# Altium PCB VOU_SOM_CV_V0.0.1.PcbDoc (part 1 of 3)
Units mil, origin at the board's own origin, x right, y up, seen from the top; angles counter-clockwise.
Board outline 6000 x 4000 mil, 2 copper layers (Top Layer, Bottom Layer); 531 components, 775 nets, 3326 pads, 56 vias.
Unrouted connection lines stored in the file: 2447.
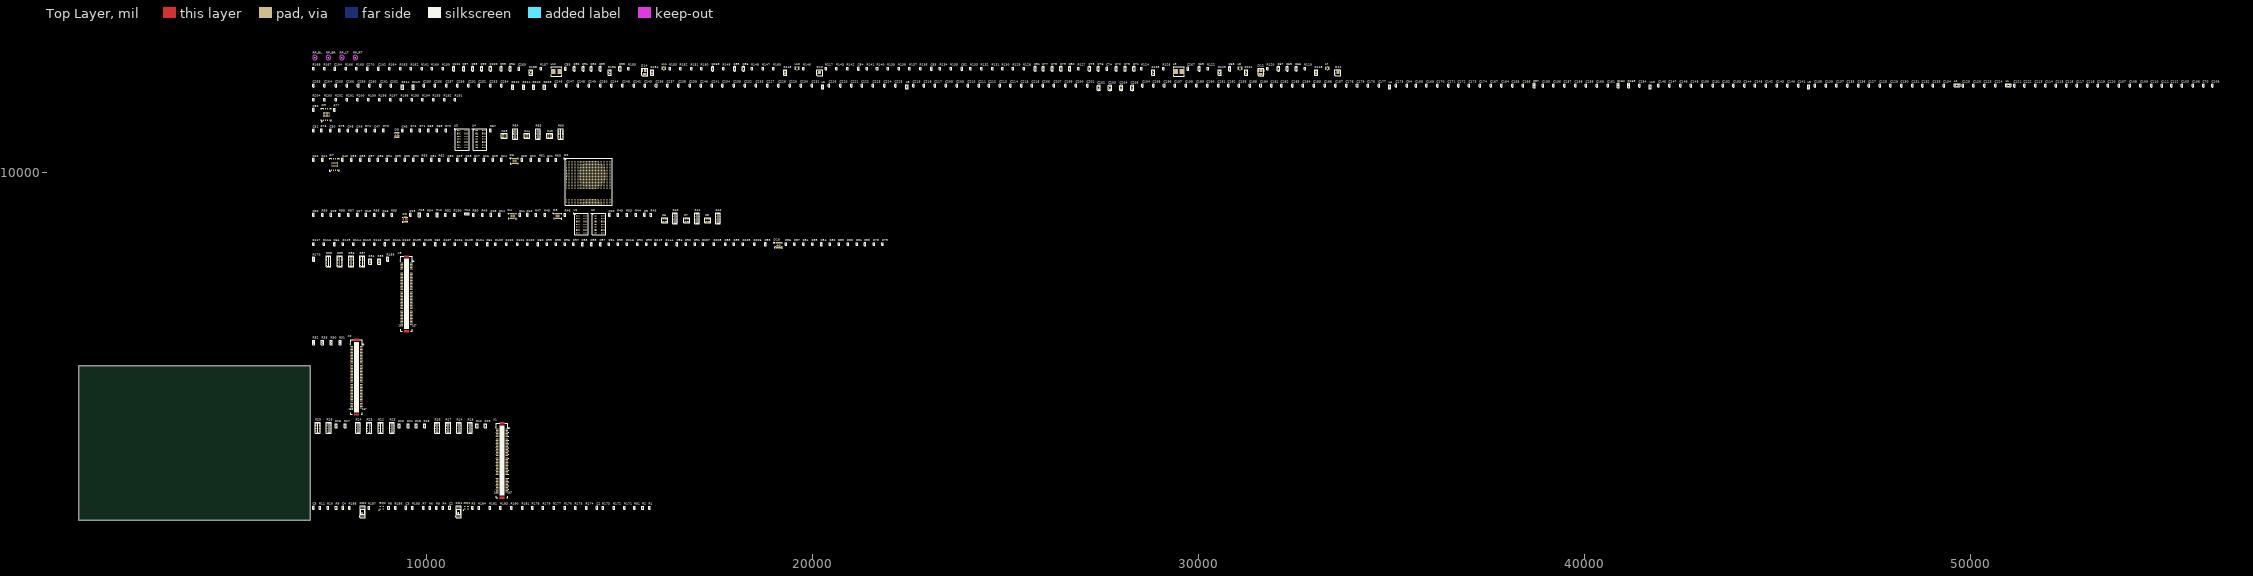
[diagram p0: Top Layer view]
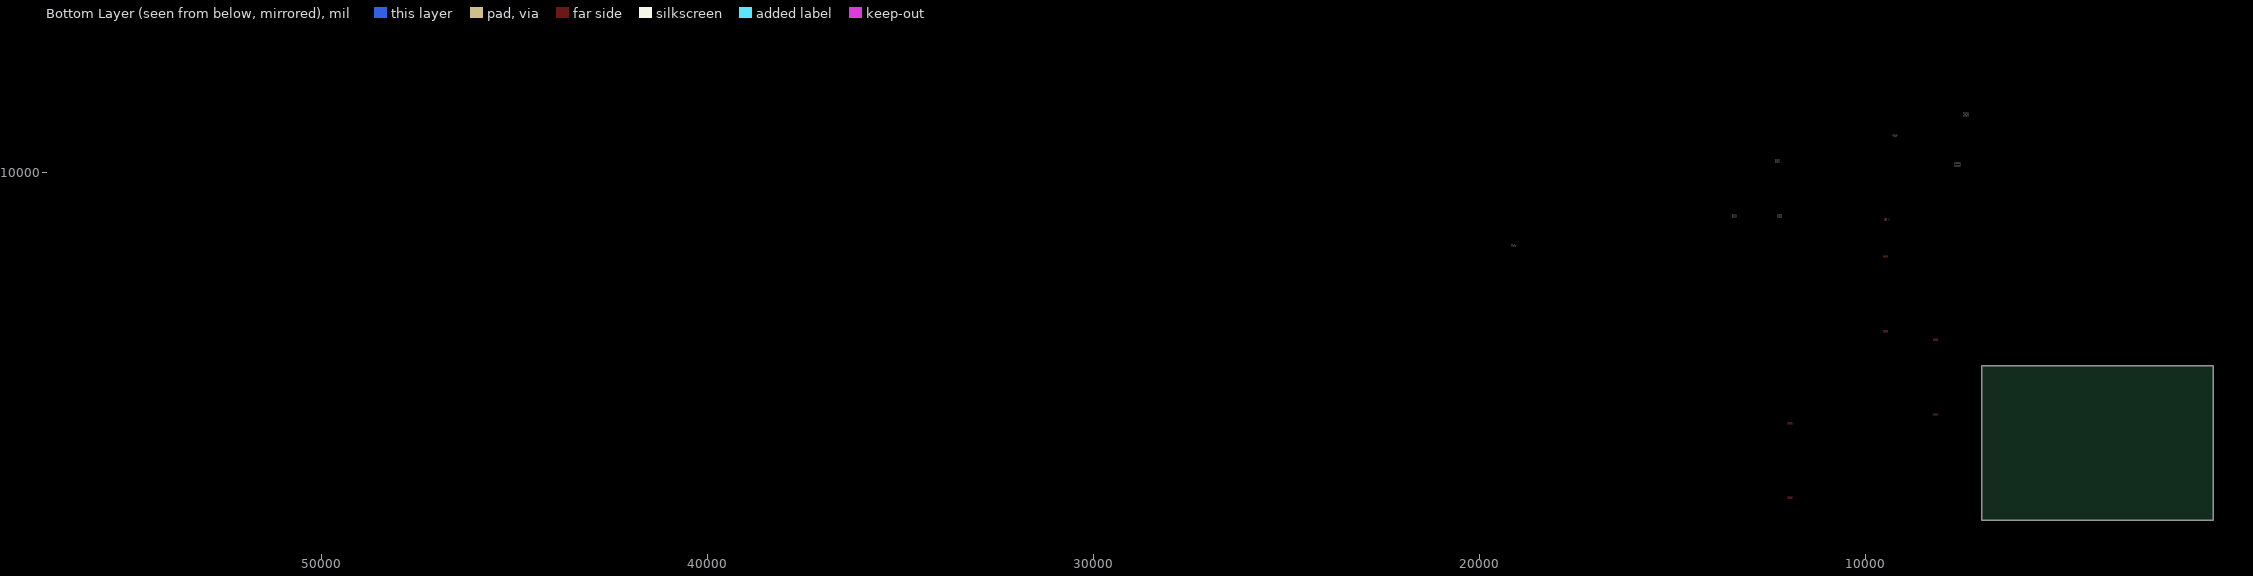
[diagram p1: Bottom Layer view, seen from below]

## Layer stack, top to bottom
Top Solder: solder mask 0.4, Solder Resist, Dk 3.5
Top Layer: signal copper 1.4
Dielectric 1: dielectric 12.6, FR-4, Dk 4.8
Bottom Layer: signal copper 1.4
Bottom Solder: solder mask 0.4, Solder Resist, Dk 3.5

## Board outline
1000,1000 7000,1000 7000,5000 1000,5000

## Design rules (kind name [scope] priority, off if disabled: settings)
Clearance [All] p1: gap=10
DiffPairsRouting [All] p1: maxlimit=10 minlimit=10 mostfreqgap=10 toplayer_minwidth=15 toplayer_maxwidth=15 toplayer_prefwidth=15 bottomlayer_minwidth=15 bottomlayer_maxwidth=15 bottomlayer_prefwidth=15 maxuncoupledlength=500
PolygonConnect [All] p1: connectstyle=Relief reliefconductorwidth=10 reliefentries=4 polygonreliefangle="90 Angle" airgapwidth=10
RoomDefinition VOU_SOM_CV_V0.0.1 [InComponentClass('VOU_SOM_CV_V0.0.1')] p1: confinementstyle=ConfineIn formatcopy=TRUE lockcomponents=FALSE outline 7045,12920 8410,12920 8410,13170 7045,13170
RoomDefinition SoC_pwr_2.SchDoc [InComponentClass('SoC_pwr_2.SchDoc')] p2: confinementstyle=ConfineIn formatcopy=TRUE lockcomponents=FALSE outline 7045,12485 33710,12485 33710,12870 7045,12870
RoomDefinition SoC_pwr_1.SchDoc [InComponentClass('SoC_pwr_1.SchDoc')] p3: confinementstyle=ConfineIn formatcopy=TRUE lockcomponents=FALSE outline 7045,12115 56485,12115 56485,12435 7045,12435
RoomDefinition JTAG_chain.SchDoc [InComponentClass('JTAG_chain.SchDoc')] p4: confinementstyle=ConfineIn formatcopy=TRUE lockcomponents=FALSE outline 7045,11855 10940,11855 10940,12070 7045,12070
RoomDefinition HPS_IOs.SchDoc [InComponentClass('HPS_IOs.SchDoc')] p5: confinementstyle=ConfineIn formatcopy=TRUE lockcomponents=FALSE outline 7045,11320 7785,11320 7785,11805 7045,11805
RoomDefinition HPS_DDR3.SchDoc [InComponentClass('HPS_DDR3.SchDoc')] p6: confinementstyle=ConfineIn formatcopy=TRUE lockcomponents=FALSE outline 7045,10560 13600,10560 13600,11270 7045,11270
RoomDefinition FPGA_IOs.SchDoc [InComponentClass('FPGA_IOs.SchDoc')] p7: confinementstyle=ConfineIn formatcopy=TRUE lockcomponents=FALSE outline 7045,9130 14850,9130 14850,10510 7045,10510
RoomDefinition FPGA_DDR3&IO.SchDoc [InComponentClass('FPGA_DDR3&IO.SchDoc')] p8: confinementstyle=ConfineIn formatcopy=TRUE lockcomponents=FALSE outline 7045,8375 17675,8375 17675,9085 7045,9085
RoomDefinition DIMS_DSP_MainBoard_Interface.SchDoc [InComponentClass('DIMS_DSP_MainBoard_Interface.SchDoc')] p9: confinementstyle=ConfineIn formatcopy=TRUE lockcomponents=FALSE outline 7045,8025 21985,8025 21985,8325 7045,8325
RoomDefinition Conn_C.SchDoc [InComponentClass('Conn_C.SchDoc')] p10: confinementstyle=ConfineIn formatcopy=TRUE lockcomponents=FALSE outline 7045,5865 9710,5865 9710,7975 7045,7975
RoomDefinition Conn_B.SchDoc [InComponentClass('Conn_B.SchDoc')] p11: confinementstyle=ConfineIn formatcopy=TRUE lockcomponents=FALSE outline 7045,3705 8415,3705 8415,5815 7045,5815
RoomDefinition Conn_A.SchDoc [InComponentClass('Conn_A.SchDoc')] p12: confinementstyle=ConfineIn formatcopy=TRUE lockcomponents=FALSE outline 7045,1545 12185,1545 12185,3655 7045,3655
RoomDefinition CLK_src&sys_logic.SchDoc [InComponentClass('CLK_src&sys_logic.SchDoc')] p13: confinementstyle=ConfineIn formatcopy=TRUE lockcomponents=FALSE outline 7045,1055 15860,1055 15860,1495 7045,1495
RoutingVias [All] p1: holewidth=28 width=50 viastyle="Through Hole" minholewidth=28 minwidth=50 maxholewidth=28 maxwidth=50
SolderMaskExpansion [All] p1: expansion=4
Width [All] p1: maxlimit=10 minlimit=10 preferedwidth=10
29 further rules are at their usual default settings.

## Classes and differential pairs
component class VOU_SOM_CV_V0.0.1: RP_BL RP_BR RP_LT RP_RT
component class SoC_pwr_2.SchDoc: C65 C66 C67 C68 C69 C71 C72 C73 C74 C75 C76 C77 C78 C79 C80 C81 C82 C83 C84 C85 C86 C88 C89 C90 C91 C92 C93 C95 C96 C97 C98 C99 C100 C101 C102 C104 C267 C268 C269 C270 D11 D12 D13 D14 L7 L8 L9 L10 L11 L12 R118 R119 R120 R121 R122 R123 R124 R125 R126 R127 R128 R129 R130 R131 R132 R133 R134 R135 R136 R137 R138 R139 R140 R141 R142 R143 R145 R146 R147 R148 R149 R150 R151 R152 R153 R154 R155 R156 R157 R158 R159 R160 R161 R162 R163 R164 R165 R166 R167 R168 R189 R217
component class SoC_pwr_1.SchDoc: C70 C87 C94 C103 C105 C106 C107 C108 C109 C110 C111 C112 C113 C114 C115 C116 C117 C118 C119 C120 C121 C122 C123 C124 C125 C126 C127 C128 C129 C130 C131 C132 C133 C134 C135 C136 C137 C138 C139 C140 C141 C142 C143 C144 C145 C146 C147 C148 C149 C150 C151 C152 C153 C154 C155 C156 C157 C158 C159 C160 C161 C162 C163 C164 C165 C166 C167 C168 C169 C170 C171 C172 C173 C174 C175 C176 C177 C178 C179 C180 C181 C182 C183 C184 C185 C186 C187 C188 C189 C190 C191 C192 C193 C194 C195 C196 C197 C198 C199 C200 C201 C202 C203 C204 C205 C206 C207 C208 C209 C210 C211 C212 C213 C214 C215 C216 C217 C218 C219 C220 C221 C222 C223 C224 C225 C226 C227 C228 C229 C230 C231 C232 C233 C234 C235 C236 C237 C238 C239 C240 C241 C242 C243 C244 C245 C246 C247 C248 C249 C250 C251 C252 C253 C254 C255 C256 C257 C258 C259 C260 C261 C262 C263 C264 C265 C266 L1 L2 L3 L4 L5 L6 L13 R209 R210 R211 R212 R213 R214
component class JTAG_chain.SchDoc: R191 R192 R193 R194 R195 R196 R197 R198 R199 R200 R201 R202 R203 R204
component class HPS_IOs.SchDoc: C52 D9 R77
component class HPS_DDR3.SchDoc: C43 C44 C45 C46 C47 C48 C49 C50 C51 D8 R64 R65 R66 R67 R68 R69 R70 R71 R72 R73 R74 R75 R76 U3 U4
component class FPGA_IOs.SchDoc: C21 C22 C23 C24 C25 C26 C27 C28 C29 C30 C31 C32 C33 C34 C35 C36 C37 C38 C39 C40 C41 C42 D2 D6 D7 R60 R61 R62 R63
component class FPGA_DDR3&IO.SchDoc: C6 C7 C8 C9 C10 C11 C12 C13 C14 C15 C16 C17 C18 C19 C20 D3 D4 D5 HL1 HL2 HL3 R40 R41 R42 R43 R44 R45 R46 R47 R48 R49 R50 R52 R53 R54 R55 R56 R57 R58 R59 R190 U1 U2
component class DIMS_DSP_MainBoard_Interface.SchDoc: C53 C54 C55 C56 C57 C58 C59 C60 C61 C62 C63 C64 D10 R78 R79 R80 R81 R82 R83 R84 R85 R86 R87 R88 R89 R90 R91 R92 R93 R94 R95 R96 R97 R98 R99 R100 R101 R102 R103 R104 R105 R106 R107 R108 R109 R110 R111 R112 R113 R114 R115 R116 R117 R144 R205 R206 R207 R208 R215 R216
component class Conn_C.SchDoc: R34 R35 R36 R37 R38 R39 R169 R170 X3
component class Conn_B.SchDoc: R30 R31 R32 R33 X2
component class Conn_A.SchDoc: R12 R13 R14 R15 R16 R17 R18 R19 R20 R21 R22 R23 R24 R25 R26 R27 R28 R29 X1
component class CLK_src&sys_logic.SchDoc: C1 C2 C3 C4 C5 D1 DD1 DD2 GQ1 GQ2 R1 R2 R3 R4 R5 R6 R7 R8 R9 R10 R11 R51 R171 R172 R173 R174 R175 R176 R177 R178 R179 R180 R181 R182 R183 R184 R185 R186 R187 R188
differential pair MIPI_CSI_DB3_HS: +MIPI_CSI_DB3_HS_P -MIPI_CSI_DB3_HS_N
differential pair MIPI_CSI_DB2_HS: +MIPI_CSI_DB2_HS_P -MIPI_CSI_DB2_HS_N
differential pair MIPI_CSI_DB1_HS: +MIPI_CSI_DB1_HS_P -MIPI_CSI_DB1_HS_N
differential pair MIPI_CSI_DB0_HS: +MIPI_CSI_DB0_HS_P -MIPI_CSI_DB0_HS_N
differential pair MIPI_CSI_DA3_HS: +MIPI_CSI_DA3_HS_P -MIPI_CSI_DA3_HS_N
differential pair MIPI_CSI_DA2_HS: +MIPI_CSI_DA2_HS_P -MIPI_CSI_DA2_HS_N
differential pair MIPI_CSI_DA1_HS: +MIPI_CSI_DA1_HS_P -MIPI_CSI_DA1_HS_N
differential pair MIPI_CSI_DA0_HS: +MIPI_CSI_DA0_HS_P -MIPI_CSI_DA0_HS_N
differential pair MIPI_CSI_CKB_HS: +MIPI_CSI_CKB_HS_P -MIPI_CSI_CKB_HS_N
differential pair MIPI_CSI_CKA_HS: +MIPI_CSI_CKA_HS_P -MIPI_CSI_CKA_HS_N
differential pair LVDS0_TX3: +LVDS0_TX3_P -LVDS0_TX3_N
differential pair LVDS0_TX2: +LVDS0_TX2_P -LVDS0_TX2_N
differential pair LVDS0_TX1: +LVDS0_TX1_P -LVDS0_TX1_N
differential pair LVDS0_TX0: +LVDS0_TX0_P -LVDS0_TX0_N
differential pair LVDS0_CKO: +LVDS0_CKO_P -LVDS0_CKO_N
differential pair HPS_DDR_DQS3: +HPS_DDR_DQS3_P -HPS_DDR_DQS3_N
differential pair HPS_DDR_DQS2: +HPS_DDR_DQS2_P -HPS_DDR_DQS2_N
differential pair HPS_DDR_DQS1: +HPS_DDR_DQS1_P -HPS_DDR_DQS1_N
differential pair HPS_DDR_DQS0: +HPS_DDR_DQS0_P -HPS_DDR_DQS0_N
differential pair HPS_DDR_CK_H: +HPS_DDR_CK_H_P -HPS_DDR_CK_H_N
differential pair GXB_TXB_C0: +GXB_TXB_C0_P -GXB_TXB_C0_N
differential pair GXB_TXB0: +GXB_TXB0_P -GXB_TXB0_N
differential pair GXB_TXA_C7: +GXB_TXA_C7_P -GXB_TXA_C7_N
differential pair GXB_TXA_C6: +GXB_TXA_C6_P -GXB_TXA_C6_N
differential pair GXB_TXA_C5: +GXB_TXA_C5_P -GXB_TXA_C5_N
differential pair GXB_TXA_C4: +GXB_TXA_C4_P -GXB_TXA_C4_N
differential pair GXB_TXA_C3: +GXB_TXA_C3_P -GXB_TXA_C3_N
differential pair GXB_TXA_C2: +GXB_TXA_C2_P -GXB_TXA_C2_N
differential pair GXB_TXA_C1: +GXB_TXA_C1_P -GXB_TXA_C1_N
differential pair GXB_TXA_C0: +GXB_TXA_C0_P -GXB_TXA_C0_N
differential pair GXB_TXA7: +GXB_TXA7_P -GXB_TXA7_N
differential pair GXB_TXA6: +GXB_TXA6_P -GXB_TXA6_N
differential pair GXB_TXA5: +GXB_TXA5_P -GXB_TXA5_N
differential pair GXB_TXA4: +GXB_TXA4_P -GXB_TXA4_N
differential pair GXB_TXA3: +GXB_TXA3_P -GXB_TXA3_N
differential pair GXB_TXA2: +GXB_TXA2_P -GXB_TXA2_N
differential pair GXB_TXA1: +GXB_TXA1_P -GXB_TXA1_N
differential pair GXB_TXA0: +GXB_TXA0_P -GXB_TXA0_N
differential pair GXB_RXB0: +GXB_RXB0_P -GXB_RXB0_N
differential pair GXB_RXA7: +GXB_RXA7_P -GXB_RXA7_N
differential pair GXB_RXA6: +GXB_RXA6_P -GXB_RXA6_N
differential pair GXB_RXA5: +GXB_RXA5_P -GXB_RXA5_N
differential pair GXB_RXA4: +GXB_RXA4_P -GXB_RXA4_N
differential pair GXB_RXA3: +GXB_RXA3_P -GXB_RXA3_N
differential pair GXB_RXA2: +GXB_RXA2_P -GXB_RXA2_N
differential pair GXB_RXA1: +GXB_RXA1_P -GXB_RXA1_N
differential pair GXB_RXA0: +GXB_RXA0_P -GXB_RXA0_N
differential pair GXB_REF_CK1: +GXB_REF_CK1_P -GXB_REF_CK1_N
differential pair GXB_REF_CK0: +GXB_REF_CK0_P -GXB_REF_CK0_N
differential pair FPGA_DDR_DQS3: +FPGA_DDR_DQS3_P -FPGA_DDR_DQS3_N
differential pair FPGA_DDR_DQS2: +FPGA_DDR_DQS2_P -FPGA_DDR_DQS2_N
differential pair FPGA_DDR_DQS1: +FPGA_DDR_DQS1_P -FPGA_DDR_DQS1_N
differential pair FPGA_DDR_DQS0: +FPGA_DDR_DQS0_P -FPGA_DDR_DQS0_N
differential pair FPGA_DDR_CK_H: +FPGA_DDR_CK_H_P -FPGA_DDR_CK_H_N
differential pair CFG_DIFFO_CKO18: +CFG_DIFFO_CKO18_P -CFG_DIFFO_CKO18_N
differential pair CFG_DIFFO_CKO1: +CFG_DIFFO_CKO1_P -CFG_DIFFO_CKO1_N
differential pair CFG_DIFFO19: +CFG_DIFFO19_P -CFG_DIFFO19_N
differential pair CFG_DIFFO17: +CFG_DIFFO17_P -CFG_DIFFO17_N
differential pair CFG_DIFFO16: +CFG_DIFFO16_P -CFG_DIFFO16_N
differential pair CFG_DIFFO15: +CFG_DIFFO15_P -CFG_DIFFO15_N
differential pair CFG_DIFFO14: +CFG_DIFFO14_P -CFG_DIFFO14_N
differential pair CFG_DIFFO13: +CFG_DIFFO13_P -CFG_DIFFO13_N
differential pair CFG_DIFFO12: +CFG_DIFFO12_P -CFG_DIFFO12_N
differential pair CFG_DIFFO11: +CFG_DIFFO11_P -CFG_DIFFO11_N
differential pair CFG_DIFFO10: +CFG_DIFFO10_P -CFG_DIFFO10_N
differential pair CFG_DIFFO9: +CFG_DIFFO9_P -CFG_DIFFO9_N
differential pair CFG_DIFFO8: +CFG_DIFFO8_P -CFG_DIFFO8_N
differential pair CFG_DIFFO7: +CFG_DIFFO7_P -CFG_DIFFO7_N
differential pair CFG_DIFFO6: +CFG_DIFFO6_P -CFG_DIFFO6_N
differential pair CFG_DIFFO5: +CFG_DIFFO5_P -CFG_DIFFO5_N
differential pair CFG_DIFFO4: +CFG_DIFFO4_P -CFG_DIFFO4_N
differential pair CFG_DIFFO3: +CFG_DIFFO3_P -CFG_DIFFO3_N
differential pair CFG_DIFFO2: +CFG_DIFFO2_P -CFG_DIFFO2_N
differential pair CFG_DIFFO0: +CFG_DIFFO0_P -CFG_DIFFO0_N
differential pair CFG_DIFFI_CKI4: +CFG_DIFFI_CKI4_P -CFG_DIFFI_CKI4_N
differential pair CFG_DIFFI_CKI0: +CFG_DIFFI_CKI0_P -CFG_DIFFI_CKI0_N
differential pair CFG_DIFFI19: +CFG_DIFFI19_P -CFG_DIFFI19_N
differential pair CFG_DIFFI18: +CFG_DIFFI18_P -CFG_DIFFI18_N
differential pair CFG_DIFFI17: +CFG_DIFFI17_P -CFG_DIFFI17_N
differential pair CFG_DIFFI16: +CFG_DIFFI16_P -CFG_DIFFI16_N
differential pair CFG_DIFFI15: +CFG_DIFFI15_P -CFG_DIFFI15_N
differential pair CFG_DIFFI14: +CFG_DIFFI14_P -CFG_DIFFI14_N
differential pair CFG_DIFFI13: +CFG_DIFFI13_P -CFG_DIFFI13_N
differential pair CFG_DIFFI12: +CFG_DIFFI12_P -CFG_DIFFI12_N
differential pair CFG_DIFFI11: +CFG_DIFFI11_P -CFG_DIFFI11_N
differential pair CFG_DIFFI10: +CFG_DIFFI10_P -CFG_DIFFI10_N
differential pair CFG_DIFFI9: +CFG_DIFFI9_P -CFG_DIFFI9_N
differential pair CFG_DIFFI8: +CFG_DIFFI8_P -CFG_DIFFI8_N
differential pair CFG_DIFFI7: +CFG_DIFFI7_P -CFG_DIFFI7_N
differential pair CFG_DIFFI6: +CFG_DIFFI6_P -CFG_DIFFI6_N
differential pair CFG_DIFFI5: +CFG_DIFFI5_P -CFG_DIFFI5_N
differential pair CFG_DIFFI3: +CFG_DIFFI3_P -CFG_DIFFI3_N
differential pair CFG_DIFFI2: +CFG_DIFFI2_P -CFG_DIFFI2_N
differential pair CFG_DIFFI1: +CFG_DIFFI1_P -CFG_DIFFI1_N

## Components (designator, comment, footprint, x,y, rotation, side; value= is the part's Value field where it differs from the comment)
C1 "CC0402-X7R-0,1 мкФ-20%-10В" CC0402(1005) 14430,1325 r90 top
C2 "CC0402-X7R-0,01 мкФ-10%-50В" CC0402(1005) 10610,1325 r90 top
C3 "CC0402-X7R-0,1 мкФ-20%-10В" CC0402(1005) 9480,1325 r90 top
C4 "CC0402-X7R-0,01 мкФ-10%-50В" CC0402(1005) 7840,1325 r90 top
C5 "CC0402-X7R-0,1 мкФ-20%-10В" CC0402(1005) 7080,1325 r90 top
C6 "W3A4YC104KAT2A" CAF-80P319X159-8N 16180,8775 r90 top
C7 "W3A4YC104KAT2A" CAF-80P319X159-8N 16750,8775 r90 top
C8 "W3A4YC104KAT2A" CAF-80P319X159-8N 17295,8775 r90 top
C9 "CC0402-X7R-0,1 мкФ-20%-10В" CC0402(1005) 15660,8915 r90 top
C10 "CC0402-X7R-0,1 мкФ-20%-10В" CC0402(1005) 14750,8915 r90 top
C11 "CC0402-X7R-0,1 мкФ-20%-10В" CC0402(1005) 12425,8915 r90 top
C12 "CC0402-X7R-0,1 мкФ-20%-10В" CC0402(1005) 12625,8915 r90 top
C13 "CC0402-X7R-0,1 мкФ-20%-10В" CC0402(1005) 11685,8915 r90 top
C14 "CC0402-X7R-0,1 мкФ-20%-10В" CC0402(1005) 11905,8915 r90 top
C15 "CC0402-X7R-0,1 мкФ-20%-10В" CC0402(1005) 9595,8915 r90 top
C16 "CC0402-X5R-22 мкФ-20%-6.3В" CC0402(1005) 8890,8915 r90 top
C17 "CC0402-X5R-22 мкФ-20%-6.3В" CC0402(1005) 8220,8915 r90 top
C18 "CC0402-X5R-22 мкФ-20%-6.3В" CC0402(1005) 8440,8915 r90 top
C19 "CC0402-X5R-22 мкФ-20%-6.3В" CC0402(1005) 7540,8915 r90 top
C20 "CC0402-NP01000 пФ-1%-50В" CC0402(1005) 7080,8915 r90 top
C21 "CC0402-X7R-0,1 мкФ-20%-10В" CC0402(1005) 13150,10340 r90 top
C22 "CC0402-X7R-0,1 мкФ-20%-10В" CC0402(1005) 12710,10340 r90 top
C23 "CC0402-X7R-0,1 мкФ-20%-10В" CC0402(1005) 12480,10340 r90 top
C24 "CC0402-X7R-0,1 мкФ-20%-10В" CC0402(1005) 11955,10340 r90 top
C25 "CC0402-X7R-0,1 мкФ-20%-10В" CC0402(1005) 11725,10340 r90 top
C26 "CC0402-X7R-0,1 мкФ-20%-10В" CC0402(1005) 11495,10340 r90 top
C27 "CC0402-X7R-0,1 мкФ-20%-10В" CC0402(1005) 11265,10340 r90 top
C28 "CC0402-X7R-0,1 мкФ-20%-10В" CC0402(1005) 11035,10340 r90 top
C29 "CC0402-X7R-0,1 мкФ-20%-10В" CC0402(1005) 10805,10340 r90 top
C30 "CC0402-X7R-0,1 мкФ-20%-10В" CC0402(1005) 10575,10340 r90 top
C31 "CC0402-X7R-0,1 мкФ-20%-10В" CC0402(1005) 10135,10340 r90 top
C32 "CC0402-X7R-0,1 мкФ-20%-10В" CC0402(1005) 9675,10340 r90 top
C33 "CC0402-X7R-0,1 мкФ-20%-10В" CC0402(1005) 9445,10340 r90 top
C34 "CC0402-X7R-0,1 мкФ-20%-10В" CC0402(1005) 8985,10340 r90 top
C35 "CC0402-X7R-0,1 мкФ-20%-10В" CC0402(1005) 9215,10340 r90 top
C36 "CC0402-X7R-0,1 мкФ-20%-10В" CC0402(1005) 8755,10340 r90 top
C37 "CC0402-X7R-0,1 мкФ-20%-10В" CC0402(1005) 8525,10340 r90 top
C38 "CC0402-X7R-0,1 мкФ-20%-10В" CC0402(1005) 8295,10340 r90 top
C39 "CC0402-X7R-0,1 мкФ-20%-10В" CC0402(1005) 8065,10340 r90 top
C40 "CC0402-X7R-0,1 мкФ-20%-10В" CC0402(1005) 7835,10340 r90 top
C41 "CC0402-X7R-0,1 мкФ-20%-10В" CC0402(1005) 7310,10340 r90 top
C42 "CC0402-X7R-0,1 мкФ-20%-10В" CC0402(1005) 7080,10340 r90 top
C43 "W3A4YC104KAT2A" CAF-80P319X159-8N 12020,10960 r90 top
C44 "W3A4YC104KAT2A" CAF-80P319X159-8N 12610,10960 r90 top
C45 "W3A4YC104KAT2A" CAF-80P319X159-8N 13200,10960 r90 top
C46 "CC0402-X7R-0,1 мкФ-20%-10В" CC0402(1005) 9385,11100 r90 top
C47 "CC0402-X5R-4.7 мкФ-20%-6.3В" CC0402(1005) 8670,11100 r90 top
C48 "CC0402-X5R-22 мкФ-20%-6.3В" CC0402(1005) 7980,11100 r90 top
C49 "CC0402-X5R-22 мкФ-20%-6.3В" CC0402(1005) 8210,11100 r90 top
C50 "CC0402-X5R-22 мкФ-20%-6.3В" CC0402(1005) 7520,11100 r90 top
C51 "CC0402-NP01000 пФ-1%-50В" CC0402(1005) 7080,11100 r90 top
C52 "CC0402-X7R-0,1 мкФ-20%-10В" CC0402(1005) 7080,11635 r90 top
C53 "CC0402-NP0-100 пФ-1%-50В" CC0402(1005) 21365,8155 r90 top
C54 "CC0402-NP0-100 пФ-1%-50В" CC0402(1005) 20235,8155 r90 top
C55 "CC0402-NP0-100 пФ-1%-50В" CC0402(1005) 18790,8155 r90 top
C56 "CC0402-NP0-100 пФ-1%-50В" CC0402(1005) 16500,8155 r90 top
C57 "CC0402-NP0-100 пФ-1%-50В" CC0402(1005) 14510,8155 r90 top
C58 "CC0402-X7R-0,1 мкФ-20%-10В" CC0402(1005) 14050,8155 r90 top
C59 "CC0402-X7R-0,1 мкФ-20%-10В" CC0402(1005) 14280,8155 r90 top
C60 "CC0402-NP0-100 пФ-1%-50В" CC0402(1005) 12900,8155 r90 top
C61 "CC0402-NP0-100 пФ-1%-50В" CC0402(1005) 11590,8155 r90 top
C62 "CC0402-NP0-100 пФ-1%-50В" CC0402(1005) 10240,8155 r90 top
C63 "CC0402-NP0-100 пФ-1%-50В" CC0402(1005) 8930,8155 r90 top
C64 "CC0402-NP0-100 пФ-1%-50В" CC0402(1005) 7620,8155 r90 top
C65 "CC0603-X5R-22 мкФ-20%-6,3В" CC0603 32310,12700 r90 top
C66 "CC0603-X5R-22 мкФ-20%-6,3В" CC0603 32540,12700 r90 top
C67 "CC0603-X5R-22 мкФ-20%-6,3В" CC0603 32080,12700 r90 top
C68 "CC0603-X5R-47 мкФ-20%-6,3В" CC0603 30820,12700 r90 top
C69 "CC0603-X5R-47 мкФ-20%-6,3В" CC0603 30030,12700 r90 top
C70 "CC0402-X7R-0,1 мкФ-20%-10В" CC0402(1005) 56045,12265 r90 top
C71 "CC0603-X5R-22 мкФ-20%-6,3В" CC0603 28335,12700 r90 top
C72 "CC0603-X5R-22 мкФ-20%-6,3В" CC0603 27875,12700 r90 top
C73 "CC0603-X5R-22 мкФ-20%-6,3В" CC0603 28105,12700 r90 top
C74 "CC0402-X7R-2200 пФ-10%-16В" CC0402(1005) 27635,12700 r90 top
C75 "CC0603-X5R-22 мкФ-20%-6,3В" CC0603 27185,12700 r90 top
C76 "CC0603-X5R-22 мкФ-20%-6,3В" CC0603 27415,12700 r90 top
C77 "CC0603-X5R-22 мкФ-20%-6,3В" CC0603 25985,12700 r90 top
C78 "CC0603-X5R-22 мкФ-20%-6,3В" CC0603 26215,12700 r90 top
C79 "CC0603-X5R-22 мкФ-20%-6,3В" CC0603 26445,12700 r90 top
C80 "CC0603-X5R-22 мкФ-20%-6,3В" CC0603 26675,12700 r90 top
C81 "CC0603-X5R-1 мкФ-10%-25В" CC0603 25775,12700 r90 top
C82 "CC0402-X7R-0,1 мкФ-20%-10В" CC0402(1005) 23875,12700 r90 top
C83 "CC0402-X7R-0,01 мкФ-10%-50В" CC0402(1005) 23085,12700 r90 top
C84 "CC0402-NP0-270 пФ-1%-50В" CC0402(1005) 21195,12700 r90 top
C85 "CC0603-X5R-22 мкФ-20%-6,3В" CC0603 17990,12700 r90 top
C86 "CC0603-X5R-22 мкФ-20%-6,3В" CC0603 18220,12700 r90 top
C87 "CC0603-X5R-22 мкФ-20%-6,3В" CC0603 38705,12265 r90 top
C88 "CC0603-X5R-22 мкФ-20%-6,3В" CC0603 15020,12700 r90 top
C89 "CC0603-X5R-47 мкФ-20%-6,3В" CC0603 14510,12700 r90 top
C90 "CC0603-X5R-47 мкФ-20%-6,3В" CC0603 13840,12700 r90 top
C91 "CC0603-X5R-22 мкФ-20%-6,3В" CC0603 14070,12700 r90 top
C92 "CC0603-X5R-22 мкФ-20%-6,3В" CC0603 14280,12700 r90 top
C93 "CC0402-X7R-0,1 мкФ-20%-10В" CC0402(1005) 13605,12700 r90 top
C94 "CC0402-X7R-4700 пФ-10%-50В" CC0402(1005) 35410,12265 r90 top
C95 "CC0603-X5R-22 мкФ-20%-6,3В" CC0603 11945,12700 r90 top
C96 "CC0603-X5R-22 мкФ-20%-6,3В" CC0603 12175,12700 r90 top
C97 "CC0603-X5R-22 мкФ-20%-6,3В" CC0603 10975,12700 r90 top
C98 "CC0603-X5R-22 мкФ-20%-6,3В" CC0603 11205,12700 r90 top
C99 "CC0603-X5R-22 мкФ-20%-6,3В" CC0603 11435,12700 r90 top
C100 "CC0603-X5R-22 мкФ-20%-6,3В" CC0603 11665,12700 r90 top
C101 "CC0603-X5R-1 мкФ-10%-25В" CC0603 10715,12700 r90 top
C102 "CC0402-X7R-0,1 мкФ-20%-10В" CC0402(1005) 8770,12700 r90 top
C103 "CC0402-X7R-0,01 мкФ-10%-50В" CC0402(1005) 55485,12265 r90 top
C104 "CC0402-NP0-270 пФ-1%-50В" CC0402(1005) 7640,12700 r90 top
C105 "CC0402-X7R-0,1 мкФ-20%-10В" CC0402(1005) 56275,12265 r90 top
C106 "CC0402-X7R-0,01 мкФ-10%-50В" CC0402(1005) 55765,12265 r90 top
C107 "CC0402-X7R-0,01 мкФ-10%-50В" CC0402(1005) 53855,12265 r90 top
C108 "CC0402-X7R-0,01 мкФ-10%-50В" CC0402(1005) 54135,12265 r90 top
C109 "CC0402-X7R-0,01 мкФ-10%-50В" CC0402(1005) 54415,12265 r90 top
C110 "CC0402-X7R-0,1 мкФ-20%-10В" CC0402(1005) 54695,12265 r90 top
C111 "CC0402-X7R-0,1 мкФ-20%-10В" CC0402(1005) 54965,12265 r90 top
C112 "CC0402-X7R-0,01 мкФ-10%-50В" CC0402(1005) 55215,12265 r90 top
C113 "CC0402-X7R-0,01 мкФ-10%-50В" CC0402(1005) 51685,12265 r90 top
C114 "CC0402-X7R-0,01 мкФ-10%-50В" CC0402(1005) 51955,12265 r90 top
C115 "CC0402-X7R-0,01 мкФ-10%-50В" CC0402(1005) 52225,12265 r90 top